# Altium PCB HIL_RIG_REV_1_2.PcbDoc (part 4 of 14)
Units mil, origin at the board's own origin, x right, y up, seen from the top; angles counter-clockwise.
Board outline 9845 x 7590 mil, 6 copper layers (Top Layer, Int1 (GND), Int2 (PWR), Int3 (Sign), Int4 (GND), Bottom Layer), stack 60.566 mil thick; 1465 components, 731 nets, 4058 pads, 3944 vias.
Unrouted connection lines stored in the file: 1754.
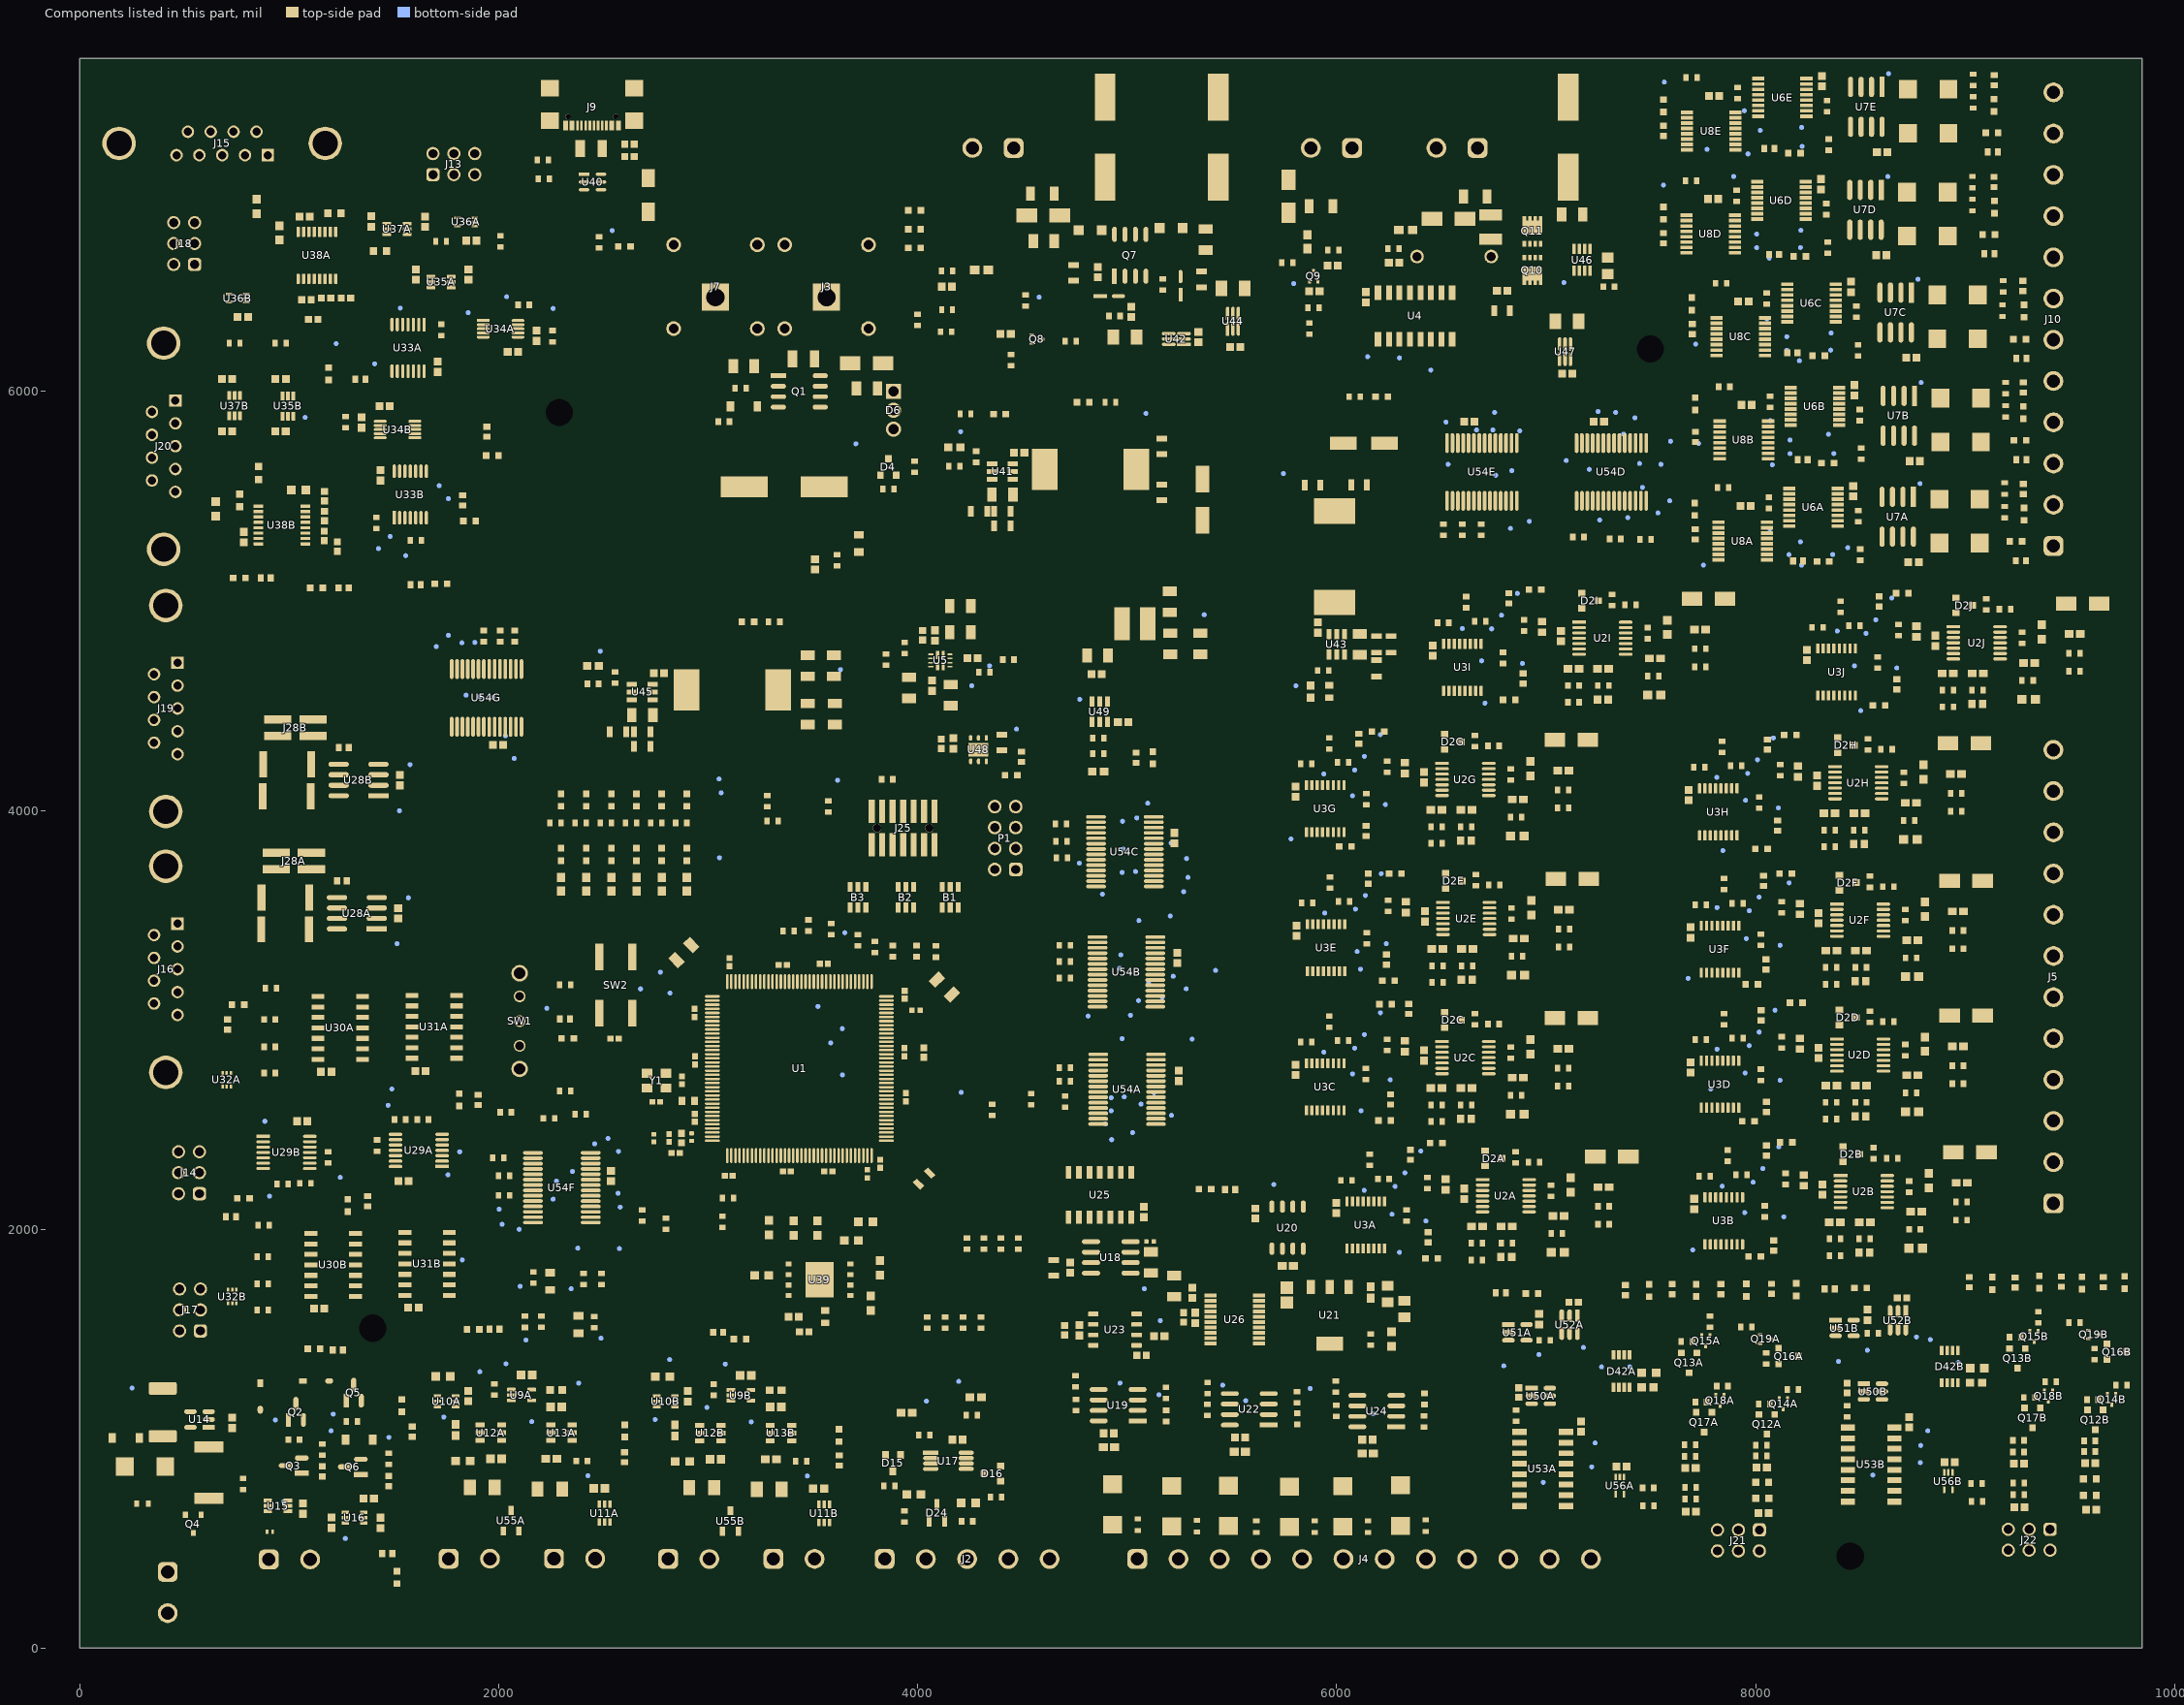
[diagram p8: the components of this part, seen from the top]

## Components (designator, comment, footprint, x,y, rotation, side; value= is the part's Value field where it differs from the comment) (continued)
TP87C "TPAD6R" TP06R#2 5040,3708 r270 bottom (schematic designator TP87)
TP87F "TPAD6R" TP06R#2 2378,1910 r270 bottom (schematic designator TP87)
TP88A "TPAD6R" TP06R#2 4924,2566 r270 bottom (schematic designator TP88)
TP88D "TPAD6R" TP06R#2 7446,5656 r0 bottom (schematic designator TP88)
TP88F "TPAD6R" TP06R#2 2002,2096 r270 bottom (schematic designator TP88)
TP88G "TPAD6R" TP06R#2 1886,4802 r180 bottom (schematic designator TP88)
TP89A "TPAD6R" TP06R#2 4896,2504 r90 bottom (schematic designator TP89)
TP89D "TPAD6R" TP06R#2 7460,5542 r0 bottom (schematic designator TP89)
TP89F "TPAD6R" TP06R#2 2016,2024 r90 bottom (schematic designator TP89)
TP89G "TPAD6R" TP06R#2 1824,4800 r180 bottom (schematic designator TP89)
TP90A "TPAD6R" TP06R#2 5026,2462 r270 bottom (schematic designator TP90)
TP90B "TPAD6R" TP06R#2 5016,3022 r270 bottom (schematic designator TP90)
TP90C "TPAD6R" TP06R#2 4976,3704 r270 bottom (schematic designator TP90)
TP90D "TPAD6R" TP06R#2 7534,5420 r0 bottom (schematic designator TP90)
TP90E "TPAD6R" TP06R#2 6830,5346 r0 bottom (schematic designator TP90)
TP90F "TPAD6R" TP06R#2 2098,2000 r0 bottom (schematic designator TP90)
TP90G "TPAD6R" TP06R#2 1760,4836 r180 bottom (schematic designator TP90)
TP91A "TPAD6R" TP06R#2 4926,2428 r270 bottom (schematic designator TP91)
TP91B "TPAD6R" TP06R#2 4814,3018 r270 bottom (schematic designator TP91)
TP91C "TPAD6R" TP06R#2 4882,3600 r270 bottom (schematic designator TP91)
TP91D "TPAD6R" TP06R#2 7590,5478 r90 bottom (schematic designator TP91)
TP91E "TPAD6R" TP06R#2 6920,5380 r0 bottom (schematic designator TP91)
TP91G "TPAD6R" TP06R#2 1702,4782 r180 bottom (schematic designator TP91)
TP92A "TPAD6R" TP06R#2 5212,2544 r270 bottom (schematic designator TP92)
TP92D "TPAD6R" TP06R#2 7594,5762 r0 bottom (schematic designator TP92)
TP93D "TPAD6R" TP06R#2 7548,5652 r0 bottom (schematic designator TP93)
TP94B "TPAD6R" TP06R#2 5168,3108 r270 bottom (schematic designator TP94)
TP94E "TPAD6R" TP06R#2 6836,5622 r0 bottom (schematic designator TP94)
TP95B "TPAD6R" TP06R#2 5282,3148 r270 bottom (schematic designator TP95)
TP95E "TPAD6R" TP06R#2 6760,5600 r0 bottom (schematic designator TP95)
TP96B "TPAD6R" TP06R#2 5102,3174 r270 bottom (schematic designator TP96)
TP96C "TPAD6R" TP06R#2 5270,3612 r270 bottom (schematic designator TP96)
TP96D "TPAD6R" TP06R#2 7424,5874 r0 bottom (schematic designator TP96)
TP96E "TPAD6R" TP06R#2 6874,5812 r0 bottom (schematic designator TP96)
TP96F "TPAD6R" TP06R#2 2580,2106 r270 bottom (schematic designator TP96)
TP97B "TPAD6R" TP06R#2 5054,3092 r270 bottom (schematic designator TP97)
TP97C "TPAD6R" TP06R#2 5290,3680 r270 bottom (schematic designator TP97)
TP97D "TPAD6R" TP06R#2 7370,5796 r0 bottom (schematic designator TP97)
TP97E "TPAD6R" TP06R#2 6746,5816 r0 bottom (schematic designator TP97)
TP97F "TPAD6R" TP06R#2 2570,2172 r90 bottom (schematic designator TP97)
TP98B "TPAD6R" TP06R#2 5220,3208 r270 bottom (schematic designator TP98)
TP98C "TPAD6R" TP06R#2 5284,3770 r270 bottom (schematic designator TP98)
TP98D "TPAD6R" TP06R#2 7332,5900 r0 bottom (schematic designator TP98)
TP98E "TPAD6R" TP06R#2 6668,5816 r0 bottom (schematic designator TP98)
TP98F "TPAD6R" TP06R#2 2522,2434 r90 bottom (schematic designator TP98)
TP99B "TPAD6R" TP06R#2 5422,3236 r270 bottom (schematic designator TP99)
TP99C "TPAD6R" TP06R#2 5210,3844 r270 bottom (schematic designator TP99)
TP99D "TPAD6R" TP06R#2 7248,5904 r0 bottom (schematic designator TP99)
TP99E "TPAD6R" TP06R#2 6754,5900 r0 bottom (schematic designator TP99)
TP99F "TPAD6R" TP06R#2 2352,2276 r180 bottom (schematic designator TP99)
TP100 "TPAD6R" TP06R#3 2488,1480 r180 top
TP101 "TPAD6R" TP06R#3 2130,1471.28 r180 top
TP102 "TPAD6R" TP06R#3 2346,1716 r0 top
TP103 "TPAD6R" TP06R#3 2102.24,1727.76 r180 top
TP104 "TPAD6R" TP06R#2 2772,3228 r0 bottom
TP105 "TPAD6R" TP06R#2 3062,4084 r0 bottom
TP106 "TPAD6R" TP06R#2 3652,3416 r0 bottom
TP107 "TPAD6R" TP06R#2 3618,4144 r0 bottom
TP108 "TPAD6R" TP06R#2 3640,2958 r0 bottom
TP109A "TPAD6R" TP06R#2 8368.14,5221.56 r90 bottom (schematic designator TP109)
TP109B "TPAD6R" TP06R#2 8373.33,5703.75 r90 bottom (schematic designator TP109)
TP109C "TPAD6R" TP06R#2 8358.16,6197.11 r90 bottom (schematic designator TP109)
TP109D "TPAD6R" TP06R#2 8214.16,6687.11 r90 bottom (schematic designator TP109)
TP109E "TPAD6R" TP06R#2 8222,7170 r90 bottom (schematic designator TP109)
TP110A "TPAD6R" TP06R#2 7751,5171 r90 bottom (schematic designator TP110)
TP110B "TPAD6R" TP06R#2 7728,5752 r90 bottom (schematic designator TP110)
TP110C "TPAD6R" TP06R#2 7714,6226 r90 bottom (schematic designator TP110)
TP110D "TPAD6R" TP06R#2 7560.16,6985.43 r90 bottom (schematic designator TP110)
TP110E "TPAD6R" TP06R#2 7564.05,7476.88 r90 bottom (schematic designator TP110)
TP111 "TPAD6R" TP06R#2 973.5,699.5 r270 bottom
TP112A "TPAD6R" TP06R#2 1514.43,3363.66 r180 bottom (schematic designator TP112)
TP112B "TPAD6R" TP06R#2 1526,3998 r180 bottom (schematic designator TP112)
TP113A "TPAD6R" TP06R#2 1569,3582.56 r180 bottom (schematic designator TP113)
TP113B "TPAD6R" TP06R#2 1577,4218.56 r180 bottom (schematic designator TP113)
TP114 "TPAD6R" TP06R#3 4208,2654 r90 top
TP115 "TPAD6R" TP06R#2 3641,2737 r90 bottom
TP116A "TPAD6R" TP06R#2 5310,2908 r90 bottom (schematic designator TP116)
TP116B "TPAD6R" TP06R#2 5206,3496 r90 bottom (schematic designator TP116)
TP116C "TPAD6R" TP06R#2 5098,4034 r90 bottom (schematic designator TP116)
TP116D "TPAD6R" TP06R#2 7096,5670 r90 bottom (schematic designator TP116)
TP116E "TPAD6R" TP06R#2 6532,5652 r0 bottom (schematic designator TP116)
TP116F "TPAD6R" TP06R#3 2458,2408 r90 top (schematic designator TP116)
TP116G "TPAD6R" TP06R#2 2032,4356 r180 bottom (schematic designator TP116)
U1 "STM32F446ZET6U" STM-LQFP144_N 3435.35,2767.31 r0 top locked
U2A "LM2901PWR" FP-PW0014A-IPC_B 6807.89,2159.79 r0 top (schematic designator U2)
U2B "LM2901PWR" FP-PW0014A-IPC_B 8516.89,2179.79 r0 top (schematic designator U2)
U2C "LM2901PWR" FP-PW0014A-IPC_B 6614.89,2819.79 r0 top (schematic designator U2)
U2D "LM2901PWR" FP-PW0014A-IPC_B 8498.89,2831.79 r0 top (schematic designator U2)
U2E "LM2901PWR" FP-PW0014A-IPC_B 6618.89,3483.79 r0 top (schematic designator U2)
U2F "LM2901PWR" FP-PW0014A-IPC_B 8498.89,3475.79 r0 top (schematic designator U2)
U2G "LM2901PWR" FP-PW0014A-IPC_B 6614.89,4147.79 r0 top (schematic designator U2)
U2H "LM2901PWR" FP-PW0014A-IPC_B 8490.89,4131.79 r0 top (schematic designator U2)
U2I "LM2901PWR" FP-PW0014A-IPC_B 7268.89,4821.79 r0 top (schematic designator U2)
U2J "LM2901PWR" FP-PW0014A-IPC_B 9055.89,4799.79 r0 top (schematic designator U2)
U3A "SN74HC151PWR" PW0016A_L 6139,2020.82 r90 top (schematic designator U3)
U3B "SN74HC151PWR" PW0016A_L 7848,2040.82 r90 top (schematic designator U3)
U3C "SN74HC151PWR" PW0016A_L 5946,2680.82 r90 top (schematic designator U3)
U3D "SN74HC151PWR" PW0016A_L 7830,2692.82 r90 top (schematic designator U3)
U3E "SN74HC151PWR" PW0016A_L 5950,3344.82 r90 top (schematic designator U3)
U3F "SN74HC151PWR" PW0016A_L 7830,3336.82 r90 top (schematic designator U3)
U3G "SN74HC151PWR" PW0016A_L 5946,4008.82 r90 top (schematic designator U3)
U3H "SN74HC151PWR" PW0016A_L 7822,3992.82 r90 top (schematic designator U3)
U3I "SN74HC151PWR" PW0016A_L 6600,4682.82 r90 top (schematic designator U3)
U3J "SN74HC151PWR" PW0016A_L 8387,4660.82 r90 top (schematic designator U3)
U4 "74HC238D,653" 74HC238D653 6375,6360.36 r0 top
U5 "TPS2121RUXT" FP-RUX0012A-MFG 4108.22,4715.25 r270 top
U6A "TMUX4052PWR" SOP65P640X120-16N 8277.21,5446.65 r0 top (schematic designator U6)
U6B "TMUX4052PWR" SOP65P640X120-16N 8282.4,5928.84 r0 top (schematic designator U6)
U6C "TMUX4052PWR" SOP65P640X120-16N 8267.23,6422.19 r0 top (schematic designator U6)
U6D "TMUX4052PWR" SOP65P640X120-16N 8123.23,6912.19 r0 top (schematic designator U6)
U6E "TMUX4052PWR" SOP65P640X120-16N 8127.12,7403.65 r0 top (schematic designator U6)
U7A "OPA2990IDR" FP-D0008A-IPC_A 8678.52,5401.67 r270 top (schematic designator U7)
U7B "OPA2990IDR" FP-D0008A-IPC_A 8683.71,5883.86 r270 top (schematic designator U7)
U7C "OPA2990IDR" FP-D0008A-IPC_A 8668.54,6377.21 r270 top (schematic designator U7)
U7D "OPA2990IDR" FP-D0008A-IPC_A 8524.54,6867.21 r270 top (schematic designator U7)
U7E "OPA2990IDR" FP-D0008A-IPC_A 8528.42,7358.67 r270 top (schematic designator U7)
U8A "TMUX4052PWR" SOP65P640X120-16N 7938.98,5285.81 r0 top (schematic designator U8)
U8B "TMUX4052PWR" SOP65P640X120-16N 7944.17,5768 r0 top (schematic designator U8)
U8C "TMUX4052PWR" SOP65P640X120-16N 7929,6261.36 r0 top (schematic designator U8)
U8D "TMUX4052PWR" SOP65P640X120-16N 7785,6751.36 r0 top (schematic designator U8)
U8E "TMUX4052PWR" SOP65P640X120-16N 7788.89,7242.81 r0 top (schematic designator U8)
U9A "SN74LVC1G04DCKR" DCK0005A_M 2109,1209 r0 top (schematic designator U9)
U9B "SN74LVC1G04DCKR" DCK0005A_M 3156.26,1207.52 r0 top (schematic designator U9)
U10A "SN74LVC1G3157DCKR" FP-DCK0006A-MFG 1750.69,1179.59 r0 top value=15Ω (schematic designator U10)
U10B "SN74LVC1G3157DCKR" FP-DCK0006A-MFG 2797.95,1178.11 r0 top value=15Ω (schematic designator U10)
U11A "SN74LVC1G3157DCKR" FP-DCK0006A-MFG 2506.52,645.21 r90 top value=15Ω (schematic designator U11)
U11B "SN74LVC1G3157DCKR" FP-DCK0006A-MFG 3553.78,643.73 r90 top value=15Ω (schematic designator U11)
U12A "TLV3501AQDBVRQ1" SOT95P280X145-6M 1962.82,1029 r0 top (schematic designator U12)
U12B "TLV3501AQDBVRQ1" SOT95P280X145-6M 3010.08,1027.52 r0 top (schematic designator U12)
U13A "TLV3501AQDBVRQ1" SOT95P280X145-6M 2300.18,1029 r180 top (schematic designator U13)
U13B "TLV3501AQDBVRQ1" SOT95P280X145-6M 3347.44,1027.52 r180 top (schematic designator U13)
U14 "UCC27517AQDBVRQ1" FP-DBV0005A-IPC_B 572,1092 r180 top
U15 "SN74LVC1T45DCKR" DCK0006A_M 946,680 r180 top
U16 "SN74LVC1G3157DCKR" FP-DCK0006A-MFG 1312,624 r180 top value=15Ω
U17 "TLV9062IDGKR" FP-DGK0008A-IPC_A 4147,894.94 r0 top
U18 "LT1763CS8-5#PBF" LT-S8-8_N 4922.07,1866 r180 top
U19 "OPA2196ID" FP-D0008A-IPC_B 4957,1160.36 r180 top
U20 "ISP762TFUMA1" INF-PG-DSO-8-3_L 5766,2008 r90 top value=70mΩ
U21 "LT3080EST#PBF" LT-ST-3-SOT-223_M 5967,1589.75 r270 top
U22 "OPA2196ID" FP-D0008A-IPC_B 5583,1140.64 r180 top
U23 "REF5050IDR" D0008A_L 4942,1520.93 r0 top
U24 "OPA2196ID" FP-D0008A-IPC_B 6192,1132 r180 top
U25 "74AHCT125D,118" SOIC127P600X175-14N 4870,2165.28 r270 top
U26 "MCP48CVB28T-20E_ST" SOP65P640X120-20N 5514,1569.64 r0 top
U28A "SN65HVD230DR" FP-D0008A-IPC_A 1323.17,3509 r180 top (schematic designator U28)
U28B "SN65HVD230DR" FP-D0008A-IPC_A 1331.17,4145 r180 top (schematic designator U28)
U29A "SN74LVC00APWR" FP-PW0014A-IPC_B 1618.72,2377 r180 top (schematic designator U29)
U29B "SN74LVC00APWR" FP-PW0014A-IPC_B 987.28,2367 r0 top (schematic designator U29)
U30A "SN74LVC125ADR" FP-D0014A-MFG 1243.65,2961.72 r180 top (schematic designator U30)
U30B "SN74LVC125ADR" FP-D0014A-MFG 1210.33,1830.04 r180 top (schematic designator U30)
U31A "SN74LVC125ADR" FP-D0014A-MFG 1692,2966.72 r180 top (schematic designator U31)
U31B "SN74LVC125ADR" FP-D0014A-MFG 1658.67,1835.04 r180 top (schematic designator U31)
U32A "TPD4E1B06DRLR" SOTFL50P160X60-6N 702,2714 r270 top (schematic designator U32)
U32B "TPD4E1B06DRLR" SOTFL50P160X60-6N 728.16,1679.17 r270 top (schematic designator U32)
U33A "SN74LVC00APWR" FP-PW0014A-IPC_B 1567.22,6208.03 r270 top (schematic designator U33)
U33B "SN74LVC00APWR" FP-PW0014A-IPC_B 1578,5508 r90 top (schematic designator U33)
U34A "TMUX1204DGSR" FP-DGS0010A-IPC_B 2009.43,6298.91 r0 top value=9Ω (schematic designator U34)
U34B "TMUX1204DGSR" FP-DGS0010A-IPC_B 1517.07,5818.09 r180 top value=9Ω (schematic designator U34)
U35A "SN74LVC1T45DCKR" DCK0006A_M 1725.53,6522.66 r0 top (schematic designator U35)
U35B "SN74LVC1T45DCKR" DCK0006A_M 994,5930 r90 top (schematic designator U35)
U36A "TPD2E001DRLR" DRL0005A_M#1 1844.5,6810 r180 top value=1.5pF (schematic designator U36)
U36B "TPD2E001DRLR" DRL0005A_M#1 754,6445 r180 top value=1.5pF (schematic designator U36)
U37A "SN74LVC1T45DCKR" DCK0006A_M 1514.61,6775.34 r0 top (schematic designator U37)
U37B "SN74LVC1T45DCKR" DCK0006A_M 739.66,5932.11 r90 top (schematic designator U37)
U38A "SN65C3221PWR" PW0016A_L 1132.49,6649.65 r90 top (schematic designator U38)
U38B "SN65C3221PWR" PW0016A_L 965.35,5361.99 r180 top (schematic designator U38)
U39 "GD5F1GM7UEYIGR" PSON127P800X80_HS-9M 3531.83,1759 r180 top
U40 "IP4234CZ6,125" Nexperia_SOT457_IPC_C 2448,7000 r0 top
U41 "LMR51625XDDCR" SOT95P280X110-6N 4405,5618 r0 top
U42 "INA181A3IDCKR" FP-DCK0006A-IPC_A#1 5235,6250.47 r180 top
U43 "LMR51625XDDCR" SOT95P280X110-6N 6000.47,4792.6 r90 top
U44 "INA181A3IDCKR" FP-DCK0006A-IPC_A#2 5505,6335 r90 top
U45 "LMR51625XDDCR" SOT95P280X110-6N 2685.39,4565 r0 top
U46 "LTC4365CTS8#TRPBF" LT-TS8-8-TSOT-23_V 7171.61,6628.43 r90 top
U47 "INA181A3IDCKR" FP-DCK0006A-IPC_A#3 7090.47,6190 r90 top
U48 "LD39050PU33R" DFN6D_L 4290.47,4290 r90 top
U49 "TPS561208DDCR" SOT95P280X110-6N 4869.08,4471.18 r270 top
U50A "TPS22918DBVR" FP-DBV0006A-IPC_B 6974.67,1204.6 r0 top (schematic designator U50)
U50B "TPS22918DBVR" FP-DBV0006A-IPC_B 8559.99,1225.6 r0 top (schematic designator U50)
U51A "SN74LVC1G04DBVR" FP-DBV0005A-IPC_B 6863.33,1507.88 r0 top (schematic designator U51)
U51B "SN74LVC1G04DBVR" FP-DBV0005A-IPC_B 8425.13,1528.88 r0 top (schematic designator U51)
U52A "TPS22918DBVR" FP-DBV0006A-IPC_B 7112,1544.67 r270 top (schematic designator U52)
U52B "TPS22918DBVR" FP-DBV0006A-IPC_B 8679.6,1565.67 r270 top (schematic designator U52)
U53A "74HC238D,653" 74HC238D653 6984,856 r270 top (schematic designator U53)
U53B "74HC238D,653" 74HC238D653 8551.6,877 r270 top (schematic designator U53)
U54A "MCP23017-E/SS" SSOP-SS28_M 4999.8,2668.81 r180 top (schematic designator U54)
U54B "MCP23017-E/SS" SSOP-SS28_M 4996.55,3228.81 r180 top (schematic designator U54)
U54C "MCP23017-E/SS" SSOP-SS28_M 4989.2,3802.81 r180 top (schematic designator U54)
U54D "MCP23017-E/SS" SSOP-SS28_M 7311.66,5615.8 r270 top (schematic designator U54)
U54E "MCP23017-E/SS" SSOP-SS28_M 6693.66,5615.8 r270 top (schematic designator U54)
U54F "MCP23017-E/SS" SSOP-SS28_M 2301.55,2198.81 r180 top (schematic designator U54)
U54G "MCP23017-E/SS" SSOP-SS28_M 1942,4537 r90 top (schematic designator U54)
U55A "PESD2CANFD60LT-QR" SOT95P230X110-3M 2059,609 r90 top (schematic designator U55)
U55B "PESD2CANFD60LT-QR" SOT95P230X110-3M 3106.26,607.52 r90 top (schematic designator U55)
U56A "TPD2E001DRLR" DRL0005A_M#1 7352,776.66 r270 top value=1.5pF (schematic designator U56)
U56B "TPD2E001DRLR" DRL0005A_M#2 8919.6,797.66 r270 top value=1.5pF (schematic designator U56)
Y1 "ECS-160-12-33-AGN-TR3" ECS1601233AGNTR3 2753.07,2709.95 r180 top

## Footprints (in the part's own frame and the unit in brackets; to place one, negate y for a bottom-side part, rotate by r counter-clockwise, add the part's x,y. Pads: shape width x height; smd on the part's side, far side on the other; paste and mask are expansions set on the pad)
74HC238D653 [mm]
  rect 0.8x1.75 smd: 1(-4.495,-2.825) 8(4.495,-2.825) 9(4.495,2.825) 16(-4.495,2.825)
  rect 0.7x1.75 smd: 2(-3.175,-2.825) 3(-1.905,-2.825) 4(-0.635,-2.825) 5(0.635,-2.825) 6(1.905,-2.825) 7(3.175,-2.825) 10(3.175,2.825) 11(1.905,2.825) 12(0.635,2.825) 13(-0.635,2.825) 14(-1.905,2.825) 15(-3.175,2.825)
  silkscreen extent -4.95,-4.25 4.95,1.6, body extent -4.95,-3 4.95,3, height 1.56
61200621721 [mm] "6 pins, right angled, gold plating"
  rrect50% 1.6x1.6 hole 1.1: 1(2.54,8.805)
  round 1.6 hole 1.1: 2(2.54,6.265) 3(0,8.805) 4(0,6.265) 5(-2.54,8.805) 6(-2.54,6.265)
  silkscreen extent -7.72,-4.5 7.72,4.5, body extent -7.64,-4.43 7.64,9.12, height 9.23
61300821121 [mm] "Pin Header, pitch 2.54 mm, THT, Vertical, dual row, 8p"
  rrect50% 1.65x1.65 hole 1.1: 1(-3.81,-1.27)
  round 1.65 hole 1.1: 2(-3.81,1.27) 3(-1.27,-1.27) 4(-1.27,1.27) 5(1.27,-1.27) 6(1.27,1.27) 7(3.81,-1.27) 8(3.81,1.27)
  silkscreen extent -5.81,-2.62 5.23,2.62, body extent -5.08,-2.54 5.08,2.54, height 8.59
691313710002 [mm] "5.00mm - Closed Horizhontal PCB Header - -02p"
  rrect50% 2.4x2.4 hole 1.6: 1(-2.5,4)
  round 2.4 hole 1.6: 2(2.5,4)
  silkscreen extent -6,-6 6,6, body extent -6,-6 6,6, height 8.55
691313710005 [mm] "5.00mm - Closed Horizhontal PCB Header - -05p"
  rrect50% 2.4x2.4 hole 1.6: 1(-10,4)
  round 2.4 hole 1.6: 2(-5,4) 3(0,4) 4(5,4) 5(10,4)
  silkscreen extent -13.5,-6 13.5,6, body extent -13.5,-6 13.5,6, height 8.55
691313710012 [mm] "5.00mm - Closed Horizhontal PCB Header - -12p"
  rrect50% 2.4x2.4 hole 1.6: 1(-27.5,4)
  round 2.4 hole 1.6: 2(-22.5,4) 3(-17.5,4) 4(-12.5,4) 5(-7.5,4) 6(-2.5,4) 7(2.5,4) 8(7.5,4) 9(12.5,4) 10(17.5,4) 11(22.5,4) 12(27.5,4)
  silkscreen extent -31,-6 31,6, body extent -31,-6 31,6, height 8.55
AO-SOT-23-3L_V [mm] "SOT23, 3-Leads, Body 3.1x1.8mm, Pitch 0.95mm"
  rect 0.8x0.8 smd: 1(-1.2,0.95) 2(-1.2,-0.95) 3(1.2,0)
  silkscreen extent -0.4,-1.55 0.9,2.11, body extent -1.5,-1.55 1.5,1.55, height 1.25
ASSMANN_A-DS_09_A_KG-T2S [mm]
  rect 1.508x1.508 / inner round 1.508 / far side rect 1.508x1.508 hole 1: 1(-5.54,1.42)
  round 1.508 hole 1: 2(-2.77,1.42) 3(0,1.42) 4(2.77,1.42) 5(5.54,1.42) 6(-4.155,-1.42) 7(-1.385,-1.42) 8(1.385,-1.42) 9(4.155,-1.42)
  round 4.066 hole 3.05: SH1(-12.495,0) SH2(12.495,0)
  silkscreen extent -15.4,-9.5 15.4,3.9, body extent -15.41,-15.55 15.41,3.05, height 12.8
CAPC0402(1005)60_L [mm] "Chip Capacitor, Body 1.0x0.5mm, Height 0.6mm, IPC High Density"
  rrect25% 0.5x0.55 smd: 1(-0.45,0) 2(0.45,0)
  body extent -0.5,-0.25 0.5,0.25, height 0.6
CAPC1005X55X25ML05T10 [mm] "Chip Capacitor, 2-Leads, Body 1.05x0.55mm, IPC Low Density"
  rect 0.76x0.72 smd: 1(-0.49,0) 2(0.49,0)
  body extent -0.53,-0.28 0.53,0.28, height 0.55
CAPC1608X90X40LL10T20 [mm] "Chip Capacitor, 2-Leads, Body 1.70x0.90mm, IPC High Density"
  rect 0.85x0.85 smd: 1(-0.575,0) 2(0.575,0)
  body extent -0.85,-0.45 0.85,0.45, height 0.9
CAPC1608X90X40ML10T20 [mm] "Chip Capacitor, 2-Leads, Body 1.70x0.90mm, IPC Low Density"
  rect 1.05x1.05 smd: 1(-0.675,0) 2(0.675,0)
  body extent -0.85,-0.45 0.85,0.45, height 0.9
CAPC1608X90X40NL10T20#1 [mm] "Chip Capacitor, 2-Leads, Body 1.70x0.90mm, IPC Medium Density"
  rect 0.95x0.95 smd: 1(-0.625,0) 2(0.625,0)
  body extent -0.85,-0.45 0.85,0.45, height 0.9
CAPC1608X90X40NL10T20#2 [mm] "Chip Capacitor, 2-Leads, Body 1.70x0.90mm, IPC Medium Density"
  rect 0.95x0.95 smd mask+0.046: 1(-0.625,0) 2(0.625,0)
  body extent -0.85,-0.45 0.85,0.45, height 0.9
D0008A_L [mm] "SOIC, 8-Leads, Body 5x4mm, Pitch 1.27mm, IPC High Density"
  rrect18% 1.25x0.55 smd: 1(-2.625,1.905) 2(-2.625,0.635) 3(-2.625,-0.635) 4(-2.625,-1.905) 5(2.625,-1.905) 6(2.625,-0.635) 7(2.625,0.635) 8(2.625,1.905)
  silkscreen extent -2.75,-2.5 1.6,2.85, body extent -3,-2.45 3,2.45, height 1.63
DCK0005A_M [mm] "SOT23, 5-Leads, Body 2.15x1.4mm, Pitch 0.65mm, IPC Low Density"
  rrect22% 1.05x0.45 smd mask+0.038: 1(-1.225,0.65) 2(-1.225,0) 3(-1.225,-0.65)
  rrect22% 1.05x0.45 smd: 4(1.225,-0.65) 5(1.225,0.65)
  silkscreen extent -1.35,-1.1 0.3,1.55, body extent -1.14,-1 1.14,1, height 0.94
DCK0006A_M [mm] "SOT23, 6-Leads, Body 2.15x1.4mm, Pitch 0.65mm, IPC Low Density"
  rrect22% 1.05x0.45 smd mask+0.038: 1(-1.225,0.65) 2(-1.225,0) 3(-1.225,-0.65) 4(1.225,-0.65) 5(1.225,0) 6(1.225,0.65)
  silkscreen extent -1.35,-1.1 0.3,1.55, body extent -1.14,-1 1.14,1, height 0.94
DFN6D_L [mm] "SON, 6-Leads, Body 3x3mm, Pitch 0.95mm, Thermal Pad 2.4x1.65mm, IPC High Density"
  oval 0.7x0.4 smd: 1(-1.425,0.95) 2(-1.425,0) 3(-1.425,-0.95) 4(1.425,-0.95) 5(1.425,0) 6(1.425,0.95)
  rect 1.65x2.4 smd: 7(0,0)
  silkscreen extent -2.15,-1.7 1.7,1.75, body extent -1.55,-1.55 1.55,1.55, height 0.95
DIOD-SOT23-3_A_V [mm] "SOT23, 3-Leads, Body 3x1.40mm, Pitch 0.915mm"
  rect 0.9x0.8 smd: 1(-1,0.915) 2(-1,-0.915) 3(1,0)
  silkscreen extent -0.79,-1.5 0.7,1.98, body extent -1.25,-1.5 1.25,1.5, height 1.1
DIOM5026X229N [mm]
  rect 2.2x1.55 smd: 1(-2.05,0) 2(2.05,0)
  silkscreen extent -2.83,-1.3 2.52,1.3, body extent -2.52,-1.3 2.52,1.3, height 2.29
DMP3036SFV7 [mm]
  rect 0.42x0.7 smd: 1(-0.975,-1.5) 2(-0.325,-1.5) 3(0.325,-1.5) 4(0.975,-1.5)
  rect 0.42x0.54 smd: 5(0.975,1.58) 6(0.325,1.58) 7(-0.325,1.58) 8(-0.975,1.58)
  rect 2.37x1.71 smd: 9(0,0.455)
  silkscreen extent -1.53,-2.3 1.53,1.53, body extent -1.65,-0.15 1.65,3.15, height 0.8
DRL0005A_M#1 [mm] "SOT23, 5-Leads, Body 1.7x1.3mm, Pitch 0.5mm, IPC Low Density"
  rrect33% 0.8x0.3 smd mask+0.038: 1(-1.05,0.5) 2(-1.05,0) 3(-1.05,-0.5)
  rrect33% 0.8x0.3 smd: 4(1.05,-0.5) 5(1.05,0.5)
  silkscreen extent -1.18,-0.85 0.25,1.32, body extent -0.65,-0.85 0.65,0.85, height 0.6